# Altium PCB MMB_Controller_Board.pcbdoc (part 3 of 3) (continued)
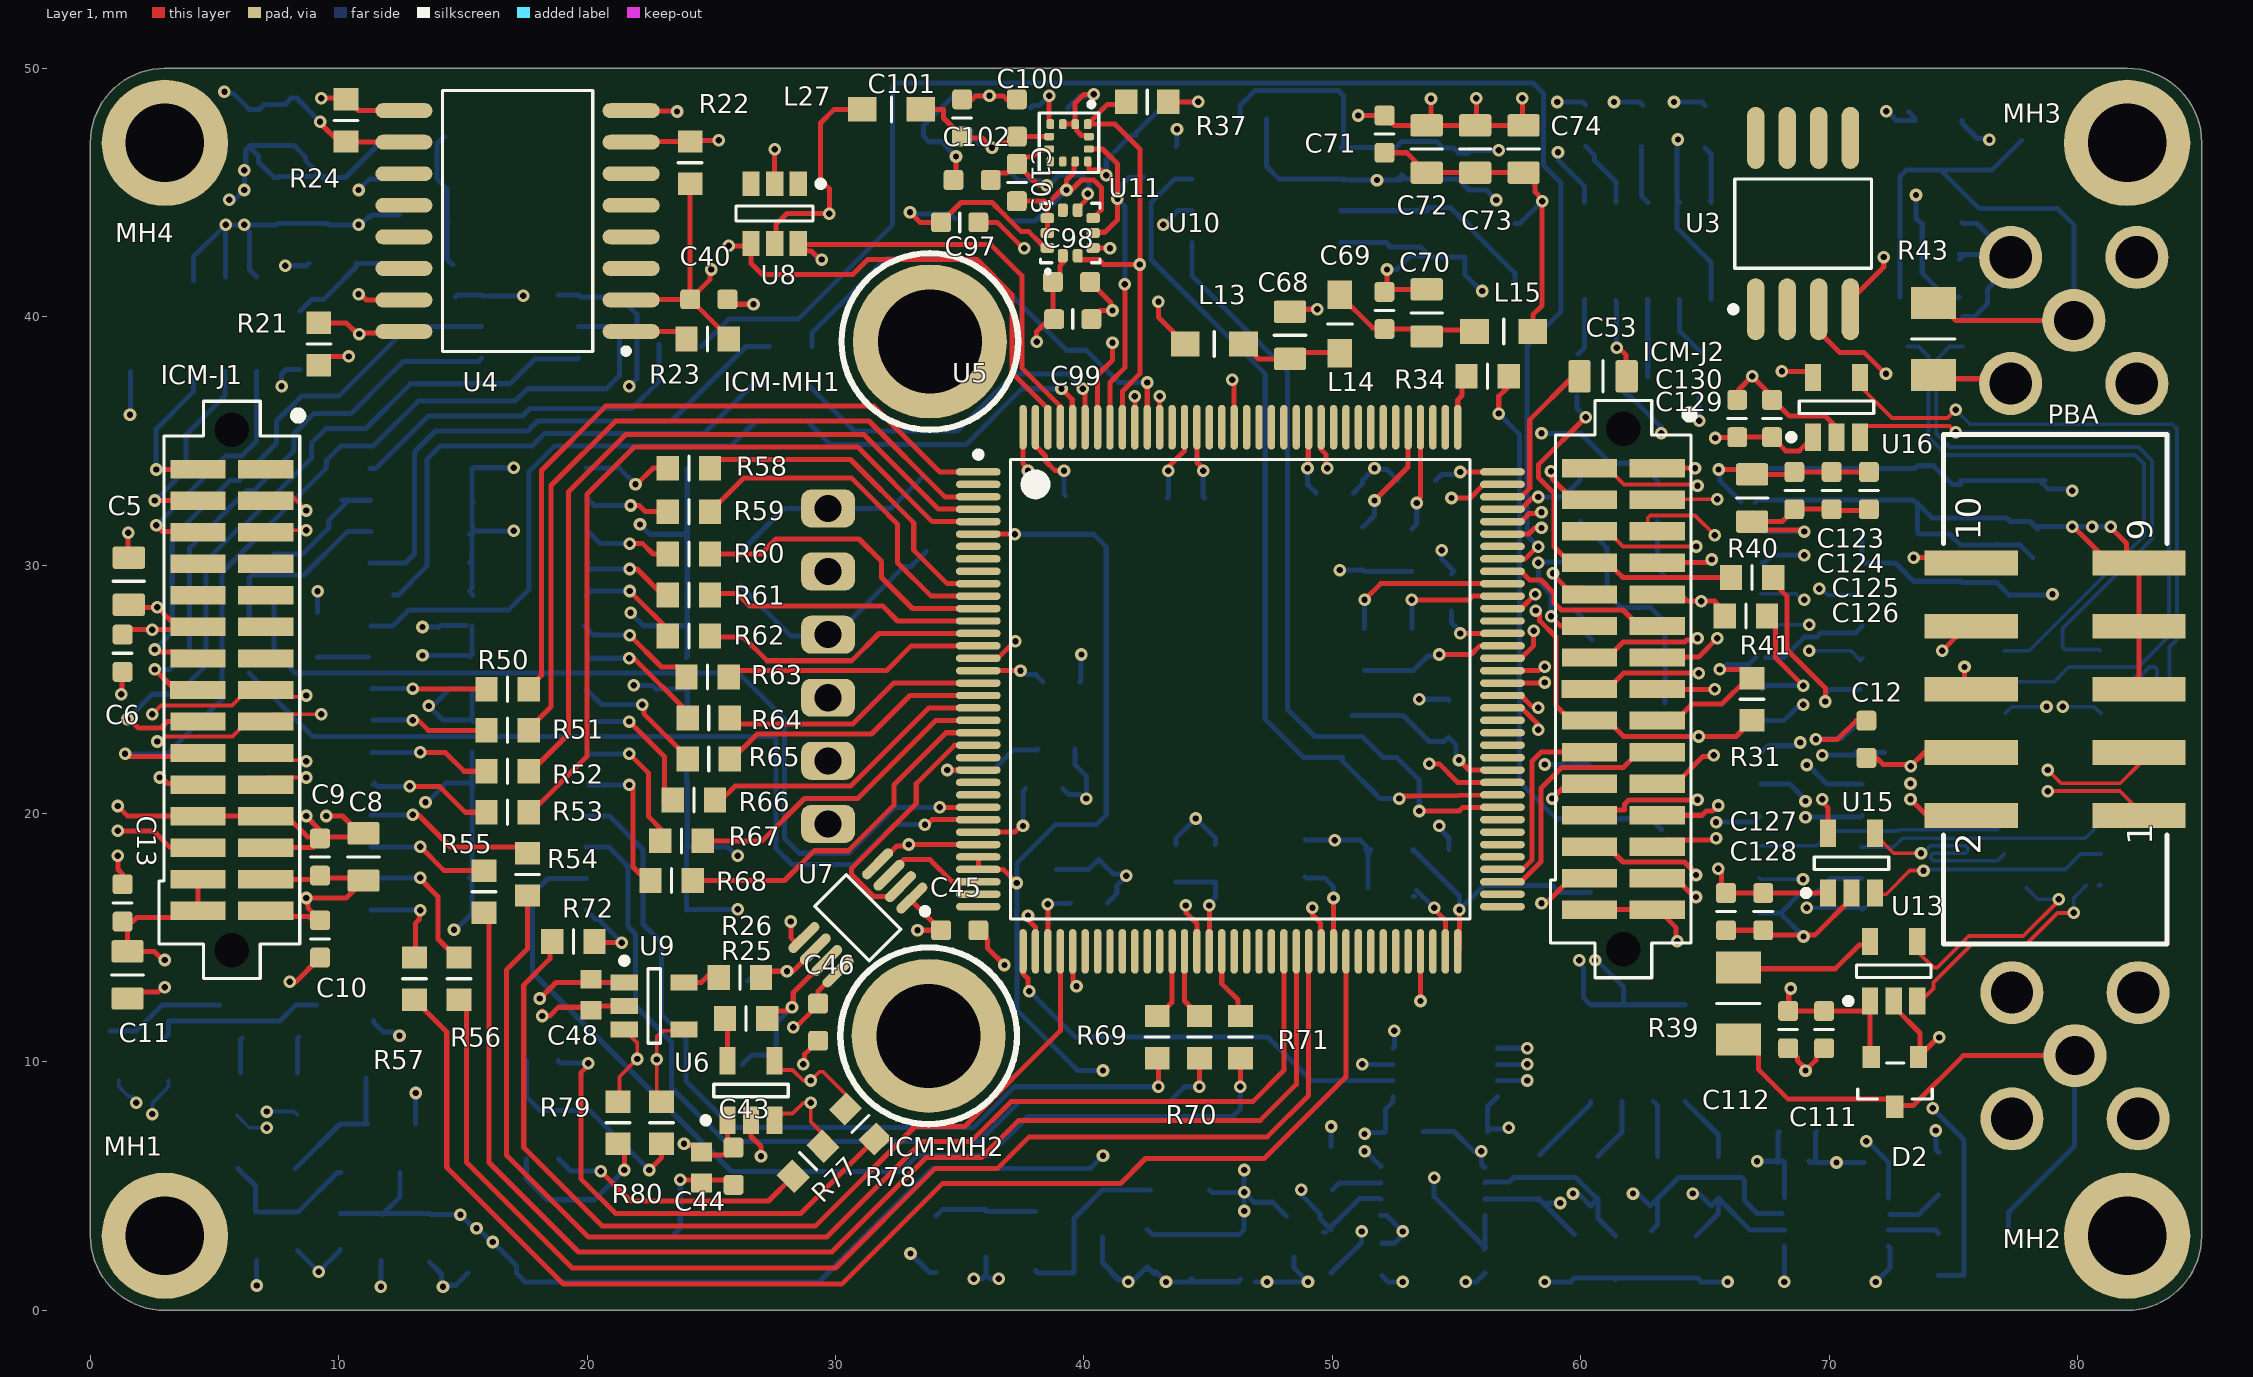
[diagram p0: Layer 1 view]
## Nets (pads, with @x,y where several pads share a name; then routed paths per layer and width w, separated by ;. In a path a pad name is that pad's centre, name@x,y a point inside that pad or via, vN(x,y) a via of type N, cw(c..) or ccw(c..) an arc to the next point about the centre after c; other vN are vias at no path point) (continued)
NetP12_26: P12.26 R55.1 | length 5
  Layer 1 w0.203: v1@13.25,18.65 13.3,18.65 14.25,17.7 R55.1@15.85,17.7
  Layer 8 w0.203: P12.26@11.3,18.66 v1(13.282,18.66)
NetP12_28: P12.28 R56.1 | length 6
  Layer 1 w0.203: v1@13.25,17.4 14,16.65 14,14.95 R56.1@14.85,14.1
  Layer 8 w0.203: P12.28@11.3,17.39 11.32,17.41 v1(13.282,17.41)
NetP12_30: P12.30 R57.1 | length 3.9
  Layer 1 w0.203: R57.1@13.1,14.25 13.1,15.6 13.25,15.75 v1@13.25,16.1
  Layer 8 w0.203: P12.30@11.3,16.12 11.31,16.11 v1(13.282,16.11)
NetP15_2: P15.2 R58.1 | length 3.8
  Layer 1 w0.203: v1(21.95,33.25) 22,33.25 22.65,33.9 R58.1@23.25,33.9
  Layer 8 w0.203: P15.2@19.95,33.9 21.3,33.9 v1(21.95,33.25)
NetP15_4: P15.4 R59.1 | length 3.5
  Layer 1 w0.203: v1(21.75,32.4) 22.1,32.4 22.35,32.15 R59.1@23.25,32.15
  Layer 8 w0.203: P15.4@20,32.6 20.05,32.65 20.3,32.4 v1(21.75,32.4)
NetP15_6: P15.6 R60.1 | length 3.6
  Layer 1 w0.203: v1(21.717,30.861) 22.239,30.861 22.65,30.45 R60.1@23.25,30.45
  Layer 8 w0.203: P15.6@20.05,31.35 20.539,30.861 v1(21.717,30.861)
NetP15_8: P15.8 R61.1 | length 3.7
  Layer 1 w0.203: v1(21.717,29.845) 22.005,29.845 23.05,28.8 R61.1@23.25,28.8
  Layer 8 w0.203: P15.8@20,30.05 P15.8@20.05,30.1 ; P15.8@20.066,29.845 v1(21.717,29.845)
NetP15_10: P15.10 R62.1 | length 4.3
  Layer 1 w0.203: v1@21.8,28.85 21.823,28.85 23.387,27.286 R62.1@23.25,27.15
  Layer 8 w0.203: P15.10@19.95,28.75 20.156,28.956 v1(21.717,28.956)
NetP15_12: P15.12 R63.1 | length 5
  Layer 1 w0.203: v1(21.717,27.178) 22.997,25.898 23.652,25.898 24,25.55 R63.1@24,25.5
  Layer 8 w0.203: P15.12@19.9,27.55 20.272,27.178 v1(21.717,27.178)
NetP15_14: P15.14 R64.1 | length 5.2
  Layer 1 w0.203: v1(21.7,26.25) 21.883,26.25 24.1,24.033 R64.1@24.1,23.8
  Layer 8 w0.203: P15.14@20.05,26.3 20.1,26.25 v1(21.7,26.25)
NetP15_16: P15.16 R65.1 | length 5.6
  Layer 1 w0.203: v1(22.225,24.384) 22.283,24.326 22.283,24.017 24.05,22.25 R65.1@24.05,22.05
  Layer 8 w0.203: P15.16@19.95,25 P15.16@19.968,25 20.584,24.384 v1(22.225,24.384)
NetP15_18: P15.18 R66.1 | length 5.5
  Layer 1 w0.203: v1(21.7,23.7) 23.114,22.286 23.114,20.514 R66.1@23.1,20.5
  Layer 8 w0.203: P15.18@20,23.7 v1(21.7,23.7)
NetP15_20: P15.20 R67.1 | length 5.2
  Layer 1 w0.203: v1(21.7,22.4) 22.479,21.621 22.479,19.871 R67.1@22.95,19.4
  Layer 8 w0.203: P15.20@20.05,22.45 20.1,22.4 v1(21.7,22.4)
NetP15_22: P15.22 R68.1 | length 5.9
  Layer 1 w0.203: v1(21.7,21.15) 21.75,21.15 21.85,21.05 21.85,17.85 R68.1@22.45,17.25
  Layer 8 w0.203: P15.22@20.05,21.2 20.1,21.15 v1(21.7,21.15)
NetP15_24: P15.24 R69.1 | length 34.5
  Layer 1 w0.203: R69.1@43,10.15 43,9.05 v1@43.05,9
  Layer 8 w0.203: P15.24@19.9,19.9 20.89,19.9 21.908,18.882 21.908,18.855 ; 21.95,18.85 22.25,18.55 22.25,15.55 23,14.8 23,11.9 23.987,10.913 23.987,9.213 25.85,7.35 35.55,7.35 37.2,9 37.95,9 ; 38,9 v1(43,9)
NetP15_26: P15.26 R70.1 | length 35.9
  Layer 1 w0.203: v1@44.55,9 44.65,9.1 R70.1@44.65,10.15
  Layer 8 w0.203: P15.26@19.95,18.65 P15.26@19.968,18.65 20.87,18.65 21.65,17.87 21.65,15.45 21.95,15.15 21.95,12.25 23.4,10.8 23.4,8.95 25.55,6.8 35.8,6.8 37.4,8.4 43.45,8.4 44.05,9 44.55,9 v1@44.6,8.95
  other v1: 44.65,9
NetP15_28: P15.28 R71.1 | length 40.4
  Layer 1 w0.203: v1(46.3,9) R71.1@46.3,10.1
  Layer 8 w0.203: P15.28@19.968,17.38 18.43,17.38 17.8,16.75 17.8,13.6 25.812,5.588 32.639,5.588 33.274,6.223 36.173,6.223 37.75,7.8 45.981,7.8 46.3,8.119 v1(46.3,9)
NetP15_30: P15.30 R72.1 | length 3.1
  Layer 1 w0.203: R72.1@20.35,14.8 v1(21.4,14.8)
  Layer 8 w0.203: P15.30@19.968,16.11 20.336,15.742 20.458,15.742 21.35,14.85 v1@21.35,14.7
NetP16_1: P16.1 R73.2 | length 1.4
  Layer 8 w0.203: R73.2@6.05,9.55 6.05,10.9 P16.1@6.1,10.95
NetP16_2: P16.2 R74.1 | length 1.5
  Layer 8 w0.203: R74.1@8.35,9.55 8.35,10.95 P16.2@8.4,11
NetP16_3: P16.3 R75.2 | length 4.8
  Layer 8 w0.203: R75.2@0.8,11.25 1.85,11.25 2.885,12.285 P16.3@5.2,12.285
NetP16_4: P16.4 R76.1 | length 7
  Layer 8 w0.203: R76.1@3,10.95 3.15,11.1 3.15,11.65 7.64,11.65 8.275,12.285 P16.4@9.1,12.285
NetP17_1: P17.1 R77.2 | length 10.6
  Layer 1 w0.203: v1(20.55,5.6) 21.75,4.4 27.3,4.4 R77.2@28.299,5.399
  Layer 8 w0.203: P17.1@18.85,6.1 19.35,5.6 v1(20.55,5.6)
NetP17_2: P17.2 R78.1 | length 19.7
  Layer 1 w0.203: v1(20.05,9.95) 20.05,9.868 19.75,9.568 19.75,5.3 21.15,3.9 28.602,3.9 R78.1@31.601,6.899
  Layer 8 w0.203: P17.2@18.85,10 P17.2@18.85,10.05 ; P17.2@18.9,10 18.95,9.95 v1(20.05,9.95)
NetP17_3: P17.3 R79.2 | length 6.8
  Layer 1 w0.203: R79.2@21.25,6.7 21.5,6.45 v1(21.5,5.65)
  Layer 8 w0.203: P17.3@17.55,6.1 17.55,5.29 18.39,4.45 20.3,4.45 v1(21.5,5.65)
NetP17_4: P17.4 R80.1 | length 8.9
  Layer 1 w0.203: v1(22.5,5.65) 23,6.15 R80.1@23,6.7
  Layer 8 w0.203: P17.4@17.55,10.05 17.55,8.6 18.1,8.05 20.1,8.05 v1(22.5,5.65)
NetR23_1: R23.1 U4.1 | length 2.3
  Layer 1 w0.203: U4.1@21.775,39.405 23.714,39.405 R23.1@24.003,39.116
NetR25_1: R25.1 U6.5 | length 2.1
  Layer 1 w0.203: U6.5@25.65,10.05 25.65,11.85 R25.1@25.85,12.05
NetR26_1: R26.1 U9.5 | length 1.4
  Layer 1 w0.203: U9.5@23.9,13.2 24.6,13.2 24.85,13.45 R26.1@25.2,13.45
NetR27_1: R27.1 U5.89 | length 28
  Layer 1 w0.203: U5.89@56.8,24.25 57.626,24.25 58.293,23.583 v1(58.293,23.368)
  Layer 3 w0.14: v1(51.181,3.175) 50.673,3.175 50.673,7.112 56.642,13.081 56.642,16.216 57.785,17.359 57.785,22.86 v1(58.293,23.368)
  Layer 8 w0.203: R27.1@49.95,1.5 51.181,2.731 v1(51.181,3.175)
NetR28_1: R28.1 U5.90 | length 23.1
  Layer 1 w0.203: U5.90@56.75,24.75 57.6,24.75 58.035,24.315 58.235,24.315 v1(58.293,24.257)
  Layer 3 w0.14: v1(49.95,7.4) 50.326,7.4 56.261,13.335 56.261,22.225 v1(58.293,24.257)
  Layer 8 w0.203: R28.1@49.95,6.6 v1(49.95,7.4)
NetR29_1: R29.1 U5.91 | length 44.5
  Layer 1 w0.203: U5.91@56.85,25.25 56.861,25.262 58.536,25.262 v1(58.547,25.273)
  Layer 3 w0.14: v1(58.547,25.273) 58.547,25.4 59.563,24.384 59.563,18.796 57.023,16.256 57.023,8.127 58.166,6.984 58.166,4.019 59.137,3.048 70.104,3.048 v1(74.295,7.239)
  Layer 8 w0.203: v1@74.417,7.239 v1(74.295,7.239) 74.295,6.477 R29.1@74.422,6.35
NetR30_1: R30.1 U5.92 | length 51.4
  Layer 1 w0.203: U5.92@56.85,25.75 58.307,25.75 58.465,25.908 v1(58.547,25.908)
  Layer 3 w0.14: v1(58.547,25.908) 58.674,25.908 60.071,24.511 60.071,18.669 57.404,16.002 57.404,8.396 58.681,7.119 58.681,4.217 59.006,3.893 69.933,3.893 v1(74.168,8.128)
  Layer 8 w0.203: v1(74.168,8.128) 75.438,6.858 75.438,1.397 ; R30.1@74.4,1.4 75.35,1.4
NetR39_2: R39.2 U13.5 | length 5.4
  Layer 1 w0.203: R39.2@66.6,13.75 70.25,13.75 71.2,14.7 U13.5@71.65,14.7
PCA_ID: ICM-J2.28 P11.18 U3.3 | length 36.9
  Layer 1 w0.203: v1(58.42,16.383) 58.478,16.441 58.658,16.441 59.616,17.399 ICM-J2.28@60.198,17.399 ; U3.3@69.6,40.25 69.6,39.385 70.419,38.566 71.389,38.566 72.255,37.7 v1(72.291,37.7)
  Layer 3 w0.14: v1(58.42,16.383) 63.962,21.925 65.526,21.925 67.986,24.384 v1(68.961,24.384) 70.231,25.654 70.231,35.64 v1(72.291,37.7)
  Layer 8 w0.203: P11.18@67.31,23.749 68.189,23.749 68.765,24.326 68.903,24.326 v1(68.961,24.384)
SER_VUSB: P2.1
SLO_I2C1_SCL: R37.2 U5.136 U10.2 U11.1 | length 18.6
  Layer 1 w0.203: U10.2@39.75,42.45 39.75,42.391 39.848,42.293 40.607,42.293 40.8,42.1 v1(42.25,42.1) ; U5.136@41.55,35.55 41.55,37 42.25,37.7 v1(42.25,42.1) ; R37.2@41.7,48.65 41.6,48.55 40.95,48.55 U11.1@40.15,47.75 41.25,47.75 42.25,46.75 v1(42.25,42.1)
SLO_I2C1_SDA: R38.2 U5.137 U10.4 U11.11 | length 16.1
  Layer 1 w0.203: U11.11@40.2,46.75 40.75,46.75 41.357,46.143 41.357,44.757 v1(41.35,44.75) 41.35,43.9 40.85,43.4 40.4,43.4 U10.4@40.37,43.37 ; U5.137@41.05,35.55 41.05,37.35 41.65,37.95 v1(41.65,41.3)
  Layer 8 w0.203: v1(41.65,41.3) 41.65,44.45 v1(41.35,44.75) 41.35,44.832 41.4,44.882 41.4,45.181 41.819,45.6 42.35,45.6 R38.2@42.4,45.65
SLO_I2C4_SCL: R301.2 U5.81 U12.1 | length 31.5
  Layer 1 w0.203: v1(53.5,20.1) 55.1,20.1 55.25,20.25 U5.81@56.85,20.25
  Layer 8 w0.203: U12.1@44.35,42.995 44.35,41.65 48.2,37.8 48.2,24.2 49.3,23.1 51.2,23.1 52.05,22.25 R301.2@52.1,22.25 52.6,22.25 53.5,21.35 v1(53.5,20.1)
SLO_I2C4_SDA: R302.2 U5.82 U12.3 | length 35.8
  Layer 1 w0.203: v1@52.782,20.6 v1(52.7,20.6) 52.8,20.7 53.3,20.7 U5.82@56.85,20.75
  Layer 8 w0.203: U12.3@44.35,45.535 43.65,45.535 42.7,44.585 42.7,42.3 47.3,37.7 47.3,23.8 48.85,22.25 R302.2@50.4,22.25 50.4,22.119 51.919,20.6 v1(52.7,20.6)
SMA_TIME_IN_N: P14.1 U14.3 | length 24
  Layer 8 w0.152: U14.3@75.4,38.8 74.85,38.8 74.317,38.267 74.317,35.283 74.85,34.75 82.45,34.75 83,34.2 83,31.051 79.4,27.451 79.4,26.7 79.5,26.6 80.85,26.6 P14.1@80.9,26.55
SMA_TIME_IN_P: P14.2 U14.4 | length 23.8
  Layer 8 w0.152: U14.4@73.15,38.8 73.6,38.8 74,38.4 74,35.151 74.718,34.432 82.318,34.432 82.682,34.068 82.682,31.183 78.05,26.55 P14.2@77.05,26.55
SMA_TRIG_OUT_N: P13.1 U13.4 | length 8.8
  Layer 1 w0.152: U13.4@73.55,14.7 73.55,14.45 74.2,13.8 74.351,13.8 75.618,15.068 77.817,15.068 ; 77.85,15.099 79.25,16.499 v1(79.25,16.55)
  Layer 8 w0.152: P13.1@77.95,17 78.4,16.55 v1(79.25,16.55)
SMA_TRIG_OUT_P: P13.2 U13.3 | length 9.5
  Layer 1 w0.152: U13.3@73.55,12.3 74.2,12.95 74.2,13.2 75.75,14.75 77.95,14.75 79.2,16 v1(79.85,16)
  Layer 8 w0.152: v1(79.85,16) 79.85,16.6 P13.2@80.35,17.1 ; P13.2@80.85,17.1 80.855,17.095 P13.2@80.95,17.095 80.9,17.145 P13.2@80.9,17.15
XTIO_CAL_TIME_N: P11.29 P14.5 | length 23.5
  Layer 6 w0.102: v1(69.1,16.2) 70.85,14.45 76.4,14.45 79.667,17.717 79.667,22.31 79.4,22.577 v1(79.4,24.3)
  Layer 8 w0.152: v1(69.1,16.2) P11.29@71.422,16.2 ; P11.29@71.332,16.11 P11.29@71.422,16.2 ; P11.29@71.472,16.25 P11.29@71.422,16.2 ; v1(79.4,24.3) 80.67,24.3 P14.5@80.95,24.02
XTIO_CAL_TIME_P: P11.28 P14.6 | length 23.5
  Layer 6 w0.102: v1(68.95,17.35) 68.95,16.925 69.506,16.368 69.506,16.171 70.96,14.717 76.29,14.717 79.4,17.827 79.4,22.2 79.133,22.467 79.133,23.917 v1(78.75,24.3)
  Layer 8 w0.152: P11.28@67.2,17.4 67.25,17.35 v1(68.95,17.35) ; P14.6@77.1,24.05 77.35,24.3 v1(78.75,24.3)
XTIO_CAL_TRIG_N: P11.26 P13.5 | length 10.2
  Layer 8 w0.152: P11.26@67.25,18.7 69.5,18.7 69.889,19.089 69.99,19.191 70.1,19.3 72.8,19.3 72.85,19.35 76.765,19.35 P13.5@77.05,19.635
XTIO_CAL_TRIG_P: P11.25 P13.6 | length 10.1
  Layer 8 w0.152: P11.25@71.3,18.65 P11.25@71.332,18.65 72.602,18.65 72.952,19 80.315,19 P13.6@80.95,19.635
pads on no net: ICM-J1.1 ICM-J1.7 ICM-J1.8 ICM-J1.13 ICM-J1.MH1 ICM-J1.MH2 ICM-J2.MH1 ICM-J2.MH2 P2.3 P2.4 P9.2 P9.6 P13.7 P13.8 P14.7 P14.8 U3.1 U3.2 U3.5 U3.6 U3.7 U3.8 U4.3 U4.4 U4.5 U4.6 U4.11 U4.12 U4.13 U4.14 U5.2 U5.7 U5.8 U5.9 U5.24 U5.26 U5.42 U5.46 U5.47 U5.55 U5.56 U5.57 U5.64 U5.65 U5.66 U5.67 U5.68 U5.77 U5.78 U5.79 U5.80 U5.85 U5.86 U5.87 U5.88 U5.96 U5.102 U5.114 U5.115 U5.116 U5.117 U5.118 U5.119 U5.122 U5.123 U5.124 U5.125 U5.126 U5.128 U5.129 U5.132 U8.1 U8.3 U10.7 U11.7 U11.8 U12.7 U12.12 U12.13 U12.14

## Polygon pours and split planes (outlines as drawn)
GND on Layer 4 Pow "Layer 6P-GND" (solid, pour order 2): 3,50 82,50 cw(c82,47) 85,47 85,3 cw(c82,3) 82,0 3,0 cw(c3,3) 0,3 0,47 cw(c3,47)
GND on Layer 5 "GND_L05_P004" (solid, remove dead copper, pour order 4): 0,47 0,3 ccw(c3,3) 3,0 82,0 ccw(c82,3) 85,3 85,47 ccw(c82,47) 82,50 3,50 ccw(c3,47)
GND on Layer 2P (split plane): 3,49.49 82,49.49 82.016,49.491 82.217,49.482 82.433,49.454 82.645,49.407 82.852,49.342 83.053,49.258 83.246,49.158 83.429,49.041 83.602,48.909 83.762,48.762 83.909,48.602 84.041,48.429 84.158,48.246 84.258,48.053 84.342,47.852 84.407,47.645 84.454,47.433 84.482,47.217 84.491,47.016 84.49,47 84.49,3 84.491,2.984 84.482,2.783 84.454,2.567 84.407,2.355 84.342,2.148 84.258,1.947 84.158,1.754 84.041,1.571 83.909,1.398 83.762,1.238 83.602,1.091 83.429,0.959 83.246,0.842 83.053,0.742 82.852,0.658 82.645,0.593 82.433,0.546 82.217,0.518 82.016,0.509 82,0.51 3,0.51 2.984,0.509 2.783,0.518 2.567,0.546 2.355,0.593 2.148,0.658 1.947,0.742 1.754,0.842 1.571,0.959 1.398,1.091 1.238,1.238 1.091,1.398 0.959,1.571 0.842,1.754 0.742,1.947 0.658,2.148 0.593,2.355 0.546,2.567 0.518,2.783 0.509,2.984 0.51,3 0.51,47 0.509,47.016 0.518,47.217 0.546,47.433 0.593,47.645 0.658,47.852 0.742,48.053 0.842,48.246 0.959,48.429 1.091,48.602 1.238,48.762 1.398,48.909 1.571,49.041 1.754,49.158 1.947,49.258 2.148,49.342 2.355,49.407 2.567,49.454 2.783,49.482 2.984,49.491
GND on Layer 7P (split plane): 3,49.49 82,49.49 82.016,49.491 82.217,49.482 82.433,49.454 82.645,49.407 82.852,49.342 83.053,49.258 83.246,49.158 83.429,49.041 83.602,48.909 83.762,48.762 83.909,48.602 84.041,48.429 84.158,48.246 84.258,48.053 84.342,47.852 84.407,47.645 84.454,47.433 84.482,47.217 84.491,47.016 84.49,47 84.49,3 84.491,2.984 84.482,2.783 84.454,2.567 84.407,2.355 84.342,2.148 84.258,1.947 84.158,1.754 84.041,1.571 83.909,1.398 83.762,1.238 83.602,1.091 83.429,0.959 83.246,0.842 83.053,0.742 82.852,0.658 82.645,0.593 82.433,0.546 82.217,0.518 82.016,0.509 82,0.51 3,0.51 2.984,0.509 2.783,0.518 2.567,0.546 2.355,0.593 2.148,0.658 1.947,0.742 1.754,0.842 1.571,0.959 1.398,1.091 1.238,1.238 1.091,1.398 0.959,1.571 0.842,1.754 0.742,1.947 0.658,2.148 0.593,2.355 0.546,2.567 0.518,2.783 0.509,2.984 0.51,3 0.51,47 0.509,47.016 0.518,47.217 0.546,47.433 0.593,47.645 0.658,47.852 0.742,48.053 0.842,48.246 0.959,48.429 1.091,48.602 1.238,48.762 1.398,48.909 1.571,49.041 1.754,49.158 1.947,49.258 2.148,49.342 2.355,49.407 2.567,49.454 2.783,49.482 2.984,49.491

## Other copper
Layer 1:
  text "'.Layer_Name'" at 93.771,40.614 h2.54
Layer 3:
  text "'.Layer_Name'" at 258.271,-77.286 h2.54
Layer 6:
  text "'.Layer_Name'" at 258.271,-77.286 h2.54
Layer 8:
  text "'.Layer_Name'" at 258.271,-77.286 h2.54
Layer 2P (plane layer: these items are gaps in the copper):
  text "'.Layer_Name'" at 258.271,-77.286 h2.54
Layer 7P (plane layer: these items are gaps in the copper):
  text "'.Layer_Name'" at 258.271,-77.286 h2.54

## Silkscreen, mask and mechanical layers (free items; w line width, h text height)
Top Silk:
  text "'.Layer_Name'" at 93.314,40.614 h2.54
Bottom Silk:
  text "'.Layer_Name'" at 257.814,-77.286 h2.54
Top Paste:
  text "'.Layer_Name'" at 257.814,-77.286 h2.54
Bottom Paste:
  text "'.Layer_Name'" at 257.814,-77.286 h2.54
Top Mask:
  text "'.Layer_Name'" at 257.814,-77.286 h2.54
Bottom Mask:
  text "'.Layer_Name'" at 257.814,-77.286 h2.54
GerbTB:
  text "'.Pcb_File_Name_No_Path'" at 247.603,-71.85 h2.54
  text "'.Print_Date'" at 261.548,-83.509 h2.54
Format:
  lines w0.127: 297.699,-135.693 411.999,-135.693 ; 297.699,-128.073 411.999,-128.073 ; 297.699,-120.453 335.799,-120.453 ; 335.799,-143.313 335.799,-128.073 335.799,-112.833 ; 389.139,-143.313 389.139,-128.073 ; 399.959,-135.693 399.959,-128.2 ; 411.999,-112.833 335.799,-112.833 ; 297.699,-112.833 297.699,-143.313 262.139,-143.313 262.139,-112.833 297.699,-112.833 ; 297.699,-112.833 335.799,-112.833
  lines w0.203: -140.527,-41.713 -134.177,-41.713 ; -140.527,66.237 -134.177,66.237 ; -140.248,174.161 -133.898,174.161 ; -47.309,-149.663 -47.309,-143.313 ; -47.309,275.863 -47.309,282.213 ; 45.807,-149.663 45.807,-143.313 ; 45.807,275.863 45.807,282.213 ; 138.949,-149.663 138.949,-143.313 ; 138.949,275.863 138.949,282.213 ; 232.065,-149.663 232.065,-143.313 ; 232.065,275.863 232.065,282.213 ; 325.182,-149.663 325.182,-143.313 ; 325.182,275.863 325.182,282.213 ; 411.999,-41.713 418.349,-41.713 ; 411.999,66.237 418.349,66.237 ; 412.278,174.161 418.628,174.161 ; -140.451,-149.663 418.349,-149.663 418.349,282.137 -140.451,282.137 -140.451,-149.663 ; -134.101,-143.313 411.999,-143.313 411.999,275.787 -134.101,275.787 -134.101,-143.313
  text "B" at -3.291,277.819 h2.54
  text "D" at 184.009,277.819 h2.54
  text "A" at -94.909,277.793 h2.54
  text "C" at 89.724,277.489 h2.54
  text "E" at 277.354,277.489 h2.54
  text "F" at 369.429,277.489 h2.54
  text "1" at -137.987,223.564 h2.54
  text "1" at 414.539,223.564 h2.54
  text "2" at -138.546,117.951 h2.54
  text "2" at 413.98,117.951 h2.54
  text "3" at -137.784,11.576 h2.54
  text "3" at 414.742,11.576 h0.76
  text "4" at -138.927,-96.73 h2.54
  text "4" at 413.599,-96.73 h2.54
  text "ENGINEER:" at 298.969,-115.373 h1.14
  text "TITLE:" at 337.069,-115.373 h1.14
  text "'.PRJNAme'" at 348.397,-117.38 h2.54
  text "'.PrjEng'" at 303.135,-118.853 h1.52
  text "PCB DESIGNER:" at 298.969,-122.866 h1.14
  text "'.PCBDesigner'" at 303.135,-126.371 h1.52
  text "SCALE:" at 389.774,-129.775 h1.14
  text "REV:" at 400.594,-129.775 h1.14
  text "DATE:" at 298.969,-130.613 h1.14
  text "PART NO.:" at 337.069,-130.613 h1.14
  text "'.PCBDate'" at 300.239,-133.661 h1.78
  text "NONE" at 391.095,-133.814 h1.78
  text ".PRJNO" at 349.642,-134.017 h2.54
  text "FILE NAME:" at 298.969,-138.233 h1.14
  text "DWG NO:" at 337.069,-138.233 h1.14
  text ".PCB_FILE_NAME_NO_PATH" at 300.239,-141.281 h1.78
  text "B" at -3.291,-147.707 h2.54
  text "D" at 184.009,-147.707 h2.54
  text "A" at -94.909,-147.733 h2.54
  text "C" at 89.724,-148.038 h2.54
  text "E" at 277.354,-148.038 h2.54
  text "F" at 369.429,-148.038 h2.54
Assy Top:
  text "PCB ASSEMBLY - TOP" at 350.074,-126.244 h2.54
  text ".ASSYREV" at 405.217,-130.867 h1.52
  text "'.AssyNo'" at 348.296,-133.179 h2.54
  text "SHT 1 OF 2" at 391.603,-137.954 h1.52
Assy Bot:
  lines w0.127: -134.05,-135.693 -57.85,-135.693 -57.85,-143.313 ; -113.476,-143.339 -113.476,-135.693 ; -19.75,-143.313 15.81,-143.313
  lines w0.203: -140.68,174.161 -134.33,174.161 ; -140.4,-41.713 -134.05,-41.713 ; -140.4,66.237 -134.05,66.237 ; -47.233,-149.663 -47.233,-143.313 ; -47.233,275.863 -47.233,282.213 ; 45.883,-149.663 45.883,-143.313 ; 45.883,275.863 45.883,282.213 ; 139,-149.663 139,-143.313 ; 139,275.863 139,282.213 ; 232.142,-149.663 232.142,-143.313 ; 232.142,275.863 232.142,282.213 ; 325.258,-149.663 325.258,-143.313 ; 325.258,275.863 325.258,282.213 ; 411.847,174.161 418.197,174.161 ; 412.126,-41.713 418.476,-41.713 ; 412.126,66.237 418.476,66.237 ; -140.4,-149.663 -140.4,282.137 418.4,282.137 418.4,-149.663 -140.4,-149.663 ; -134.05,-143.313 -134.05,275.787 412.05,275.787 412.05,-143.313 -134.05,-143.313
  text "D" at 93.94,277.819 h2.54
  text "B" at 281.24,277.819 h2.54
  text "A" at 372.858,277.793 h2.54
  text "F" at -91.48,277.489 h2.54
  text "E" at 0.595,277.489 h2.54
  text "C" at 188.225,277.489 h2.54
  text "1" at -136.59,223.564 h2.54
  text "1" at 415.936,223.564 h2.54
  text "2" at -136.031,117.951 h2.54
  text "2" at 416.495,117.951 h2.54
  text "3" at -136.793,11.576 h2.54
  text "3" at 415.733,11.576 h0.76
  text "4" at -135.65,-96.73 h2.54
  text "4" at 416.876,-96.73 h2.54
  text ".PRJNO" at -71.693,-134.017 h2.54
  text "SHT 2 OF 2" at -116.702,-140.621 h1.52
  text "PCB ASSEMBLY - BOTTOM" at -64.784,-140.849 h2.03
  text "D" at 93.94,-147.707 h2.54
  text "B" at 281.24,-147.707 h2.54
  text "A" at 372.858,-147.733 h2.54
  text "F" at -91.48,-148.038 h2.54
  text "E" at 0.595,-148.038 h2.54
  text "C" at 188.225,-148.038 h2.54
Drill Drawing:
  drawing of 557 lines, arcs and shapes, not listed
  text "(COLOR = WHITE)." at 257.931,188.511 h0.76
  text "Layer" at 223.338,166.896 h1.52
  text "Name" at 233.75,166.896 h1.52
  text "Material" at 254.064,166.896 h1.52
  text "Thickness" at 278.188,166.896 h1.52
  text "Constant" at 294.694,166.896 h1.52
  text "Board Layer Stack" at 309.168,166.896 h1.52
  text "Top Silk" at 233.75,163.848 h1.52
  text "Top Mask" at 233.75,160.8 h1.52
  text "Solder Mask" at 254.064,160.8 h1.52
  text "0,40mil" at 278.188,160.8 h1.52
  text "3,5" at 294.694,160.8 h1.52
  text "1" at 223.338,157.752 h1.52
  text "Layer 1" at 233.75,157.752 h1.52
  text "Copper" at 254.064,157.752 h1.52
  text "0,70mil" at 278.188,157.752 h1.52
  text "Dielectric 1" at 233.75,154.704 h1.52
  text "370HR or Equiv" at 254.064,154.704 h1.52
  text "5,00mil" at 278.188,154.704 h1.52
  text "4" at 294.694,154.704 h1.52
  text "2" at 223.338,151.656 h1.52
  text "Layer 2P" at 233.75,151.656 h1.52
  text "Copper" at 254.064,151.656 h1.52
  text "0,70mil" at 278.188,151.656 h1.52
  text "Dielectric 2" at 233.75,148.608 h1.52
  text "370HR or Equiv" at 254.064,148.608 h1.52
  text "6,00mil" at 278.188,148.608 h1.52
  text "4" at 294.694,148.608 h1.52
  text "3" at 223.338,145.56 h1.52
  text "Layer 3" at 233.75,145.56 h1.52
  text "Copper" at 254.064,145.56 h1.52
  text "0,71mil" at 278.188,145.56 h1.52
  text "Dielectric 3" at 233.75,142.512 h1.52
  text "370HR or Equiv" at 254.064,142.512 h1.52
  text "6,00mil" at 278.188,142.512 h1.52
  text "4" at 294.694,142.512 h1.52
  text "4" at 223.338,139.464 h1.52
  text "Layer 4 Pow" at 233.75,139.464 h1.52
  text "Copper" at 254.064,139.464 h1.52
  text "1,38mil" at 278.188,139.464 h1.52
  text "Dielectric 4" at 233.75,136.416 h1.52
  text "370HR or Equiv" at 254.064,136.416 h1.52
  text "26,00mil" at 278.188,136.416 h1.52
  text "4" at 294.694,136.416 h1.52
  text "5" at 223.338,133.368 h1.52
  text "Layer 5" at 233.75,133.368 h1.52
  text "Copper" at 254.064,133.368 h1.52
  text "1,38mil" at 278.188,133.368 h1.52
  text "Dielectric 5" at 233.75,130.32 h1.52
  text "370HR or Equiv" at 254.064,130.32 h1.52
  text "6,00mil" at 278.188,130.32 h1.52
  text "4" at 294.694,130.32 h1.52
  text "6" at 223.338,127.272 h1.52
  text "Layer 6" at 233.75,127.272 h1.52
  text "Copper" at 254.064,127.272 h1.52
  text "0,71mil" at 278.188,127.272 h1.52
  text "Dielectric 6" at 233.75,124.224 h1.52
  text "370HR or Equiv" at 254.064,124.224 h1.52
  text "6,00mil" at 278.188,124.224 h1.52
  text "4" at 294.694,124.224 h1.52
  text "7" at 223.338,121.176 h1.52
  text "Layer 7P" at 233.75,121.176 h1.52
  text "Copper" at 254.064,121.176 h1.52
  text "0,70mil" at 278.188,121.176 h1.52
  text "Dielectric 7" at 233.75,118.128 h1.52
  text "370HR or Equiv" at 254.064,118.128 h1.52
  text "5,00mil" at 278.188,118.128 h1.52
  text "4" at 294.694,118.128 h1.52
  text "8" at 223.338,115.08 h1.52
  text "Layer 8" at 233.75,115.08 h1.52
  text "Copper" at 254.064,115.08 h1.52
  text "0,70mil" at 278.188,115.08 h1.52
  text "Bottom Mask" at 233.75,112.032 h1.52
  text "Solder Mask" at 254.064,112.032 h1.52
  text "0,40mil" at 278.188,112.032 h1.52
  text "3,5" at 294.694,112.032 h1.52
  text "(COLOR = WHITE)." at 257.854,109.187 h1.52
  text "Bottom Silk" at 233.75,108.984 h1.52
  text "TOTAL THICKNESS .093 +/- .007" at 249.447,104.539 h1.78
  text "NOTES: UNLESS OTHERWISE SPECIFIED" at 227.113,90.688 h1.52
  text "1. BOARD SHALL BE FABRICATED - PERFORMANCE CLASS III AS PER" at 230.313,87.442 h1.52
  text "IPC-6011 AND IPC-6012." at 231.355,84.821 h1.52
  text "2. VENDOR LOGO, DATE CODE AND 'UL94V-0'" at 230.313,81.443 h1.52
  text "SHALL BE ETCHED ON THE SOLDER SIDE." at 234.885,78.725 h1.52
  text "THE DATE CODE SHALL BE IN THE FORMAT: \"WWYY\" WHERE" at 231.66,76.236 h1.52
  text "WW=WEEK AND YY=YEAR" at 232.244,73.645 h1.52
  text "3. FABRICATE USING THIS DWG FOR REFERENCE" at 230.313,69.442 h1.52
  text "4. PERMANENTLY MARK BARE BOARD WITH TEST STAMP USING" at 230.313,66.442 h1.52
  text "NON-CONDUCTIVE, RoHS COMPLIANT INK" at 234.885,63.891 h1.52
  text "5. SILKSCREEN BOTH SIDES WITH NON-CONDUCTIVE, RoHS COMPLIANT INK, NOT" at 230.313,60.442 h1.52
  text "ALLOWED ON COMPONENT PADS,  COMPONENT MOUNTING HOLES, OR VIAS" at 234.885,57.643 h1.52
  text "6. MATERIAL: PER STACK-UP DETAIL." at 230.313,51.442 h1.52
  text "MUST BE RoHS COMPLIANT AND SURVIVE A LEAD-FREE" at 234.885,48.601 h1.52
  text "ASSEMBLY MAX REFLOW OF 260 DEG C (6 PASSES)" at 234.885,45.908 h1.52
  text "7. SOLDER MASK: SMOBC PER IPC-SM-840C, CLASS T, MUST BE RoHS COMPLIANT," at 230.313,43.015 h1.52
  text "TYPE LPI, 0.0002\" MIN TO 0.0008\" MAX MEASURED OVER COPPER PLATING," at 234.885,40.015 h1.52
  text "MUST CLEAR ALL LANDS AS INDICATED ON GERBER SOLDER MASK LAYERS," at 234.885,36.993 h1.52
  text "8. FINISH: ELECTRO-LESS NICKEL IMMERSION GOLD (ENIG), 2-8 MICRO INCHES GOLD" at 230.313,31.015 h1.52
  text "OVER 150-250 MICRO INCHES NICKEL" at 234.657,28.458 h1.52
  text "9. SOLDERABILITY TEST: CATEGORY 2 OF J-STD-003" at 230.263,25.309 h1.52
  text "10. ALL EXPOSED SOLDER PADS SHALL BE FREE OF SOLDERMASK AND SILKSCREEN" at 229.043,21.981 h1.52
  text "11. HOLE SIZES SPECIFIED IN CHART ARE FINISHED SIZES, AFTER PLATING." at 228.916,18.527 h1.52
  text "12. FINISHED BOARDS SHALL NOT HAVE NICKS, SCRATCHES, VOIDS," at 228.916,14.793 h1.52
  text "EXPOSED COPPER, POOR PLATING OR MISDRILLED HOLES" at 234.708,11.999 h1.52
  text "13. VENDOR MAY ADD COPPER THIEVING AS NEEDED TO IMPROVE" at 228.916,8.646 h1.52
  text "MANUFACTURABILITY." at 312.381,8.342 h1.52
  text "14. ALL FINISHED BOARDS TO BE 100% ELECTRICALLY TESTED" at 228.916,2.169 h1.52
  text "15. UNLESS OTHERWISE INDICATED, ALL LINEAR TOLERANCES SHALL BE" at 228.916,-1.031 h1.52
  text "16. IMPEDANCE CONTROLLED BOARD AS FOLLOWS:" at 228.789,-7.508 h1.52
  text "50 OHMS +/- 10% SINGLE-ENDED:" at 234.377,-10.835 h1.52
  text "Symbol" at 233.8,-11.787 h2.11
  text "Hole Size" at 248.474,-11.787 h2.11
  text "Plated" at 269.464,-11.787 h2.11
  text "Count" at 284.137,-11.787 h2.11
  text "Hole Length" at 301.606,-11.787 h2.11
  text "10,0mil" at 248.474,-16.175 h1.76
  text "PTH" at 269.464,-16.175 h1.76
  text "357" at 284.137,-16.175 h1.76
  text "-" at 301.606,-16.175 h1.76
  text "INTERNAL TRACES     5.5MIL" at 239.838,-16.423 h1.52
  text "100 OHMS +/- 10% DIFFERENTIAL:" at 234.454,-19.217 h1.52
  text "43,0mil" at 248.474,-20.562 h1.76
  text "PTH" at 269.464,-20.562 h1.76
  text "6" at 284.137,-20.562 h1.76
  text "-" at 301.606,-20.562 h1.76
  text "EXTERNAL TRACE/GAP      6/6.5 MIL" at 239.915,-22.062 h1.52
  text "INTERNAL TRACE/GAP      4/6.5 MIL" at 239.915,-24.805 h1.52
  text "55,0mil" at 248.474,-24.95 h1.76
  text "NPTH" at 269.464,-24.95 h1.76
  text "4" at 284.137,-24.95 h1.76
  text "-" at 301.606,-24.95 h1.76
  text "VENDOR MAY ADJUST DIELECTRICS TO ACHIEVE DESIRED IMPEDANCES." at 233.996,-28.285 h1.52
  text "62,0mil" at 248.474,-29.337 h1.76
  text "PTH" at 269.464,-29.337 h1.76
  text "2" at 284.137,-29.337 h1.76
  text "-" at 301.606,-29.337 h1.76
  text "67,0mil" at 248.474,-33.725 h1.76
  text "PTH" at 269.464,-33.725 h1.76
  text "8" at 284.137,-33.725 h1.76
  text "-" at 301.606,-33.725 h1.76
  text "125,0mil" at 248.474,-38.112 h1.76
  text "PTH" at 269.464,-38.112 h1.76
  text "4" at 284.137,-38.112 h1.76
  text "-" at 301.606,-38.112 h1.76
  text "165,0mil" at 248.474,-42.5 h1.76
  text "PTH" at 269.464,-42.5 h1.76
  text "2" at 284.137,-42.5 h1.76
  text "-" at 301.606,-42.5 h1.76
  text "383 Total" at 284.137,-46.888 h1.76
  text "PCB FABRICATION" at 355.128,-121.901 h2.54
  text "'.Layer_Name'" at 356.881,-125.94 h2.54
  text "'.PCBRev'" at 405.065,-134.144 h1.52
  text "SHT 1 OF 1" at 391.603,-141.205 h1.52
  text "'.PCBNo'" at 348.067,-141.23 h2.54

## Text inside footprints (layer, text, board x,y; h text height)
P1: Bottom Silk "8" at 65.17,8.85 h1.02 r180; Bottom Silk "7" at 65.17,12.75 h1.02 r180; Bottom Silk "1" at 59.13,12.75 h1.02 r180; Bottom Silk "2" at 58.791,8.85 h1.02 r180
P2: Bottom Silk "2" at 0.4,37.7 h1.02 r180; Bottom Silk "1" at 0.5,42.7 h1.02 r180; Bottom Silk "9" at 6.2,40.3 h1.02 r180; Bottom Silk "10" at 6.8,35.8 h1.02 r180
P6: Bottom Silk "2" at 58.556,41.15 h1.02 r180; Bottom Silk "1" at 58.895,45.05 h1.02 r180; Bottom Silk "9" at 66.205,45.05 h1.02 r180; Bottom Silk "10" at 66.205,41.15 h1.02 r180
P9: Bottom Silk "1" at 30.335,36.09 h1.52 r90; Bottom Silk "6" at 30.335,16.405 h1.52 r90
P10: Bottom Silk "1" at 59.1,15.56 h1.02 r270; Bottom Silk "6" at 63.7,30.44 h1.02 r270
P13: Bottom Silk "8" at 82.7,20.5 h1.02 r270; Bottom Silk "7" at 74.5,20.6 h1.02 r270; Bottom Silk "1" at 76.6,15.83 h1.02 r270; Bottom Silk "2" at 80.5,15.491 h1.02 r270
P14: Bottom Silk "8" at 77.5,19.1 h1.02 r90; Bottom Silk "7" at 80.3,20.2 h1.02 r90; Bottom Silk "1" at 81.4,27.825 h1.02 r90; Bottom Silk "2" at 77.5,28.164 h1.02 r90
P16: Bottom Silk "1" at 4.75,9.65 h1.02 r270; Bottom Silk "2" at 8.65,9.35 h1.02 r270; Bottom Silk "3" at 3.4,13.1 h1.02 r270; Bottom Silk "4" at 8.65,13.25 h1.02 r270
P17: Bottom Silk "4" at 16.6,9.55 h1.02; Bottom Silk "3" at 16.6,5.65 h1.02; Bottom Silk "2" at 21.1,8.9 h1.02; Bottom Silk "1" at 20.2,5.65 h1.02
P33: Bottom Silk "1" at 15.3,37.065 h1.02 r270; Bottom Silk "2" at 19.1,36.665 h1.02 r270; Bottom Silk "5" at 15.3,41.835 h1.02 r270; Bottom Silk "6" at 19.1,41.835 h1.02 r270
PBA: Top Silk "1" at 83,18.73 h1.02 r90; Top Silk "2" at 76.1,18.33 h1.02 r90; Top Silk "10" at 76.1,30.97 h1.02 r90; Top Silk "9" at 83,30.97 h1.02 r90